# Altium PCB CDH_PCB_reva02.PcbDoc (part 2 of 2)
Units mil, origin at the board's own origin, x right, y up, seen from the top; angles counter-clockwise.
Board outline 4710 x 6365 mil, 4 copper layers (Component Side, Ground Plane, Power Plane, Solder Side), stack 60.8 mil thick; 142 components, 114 nets, 657 pads, 193 vias.
Unrouted connection lines stored in the file: 13.
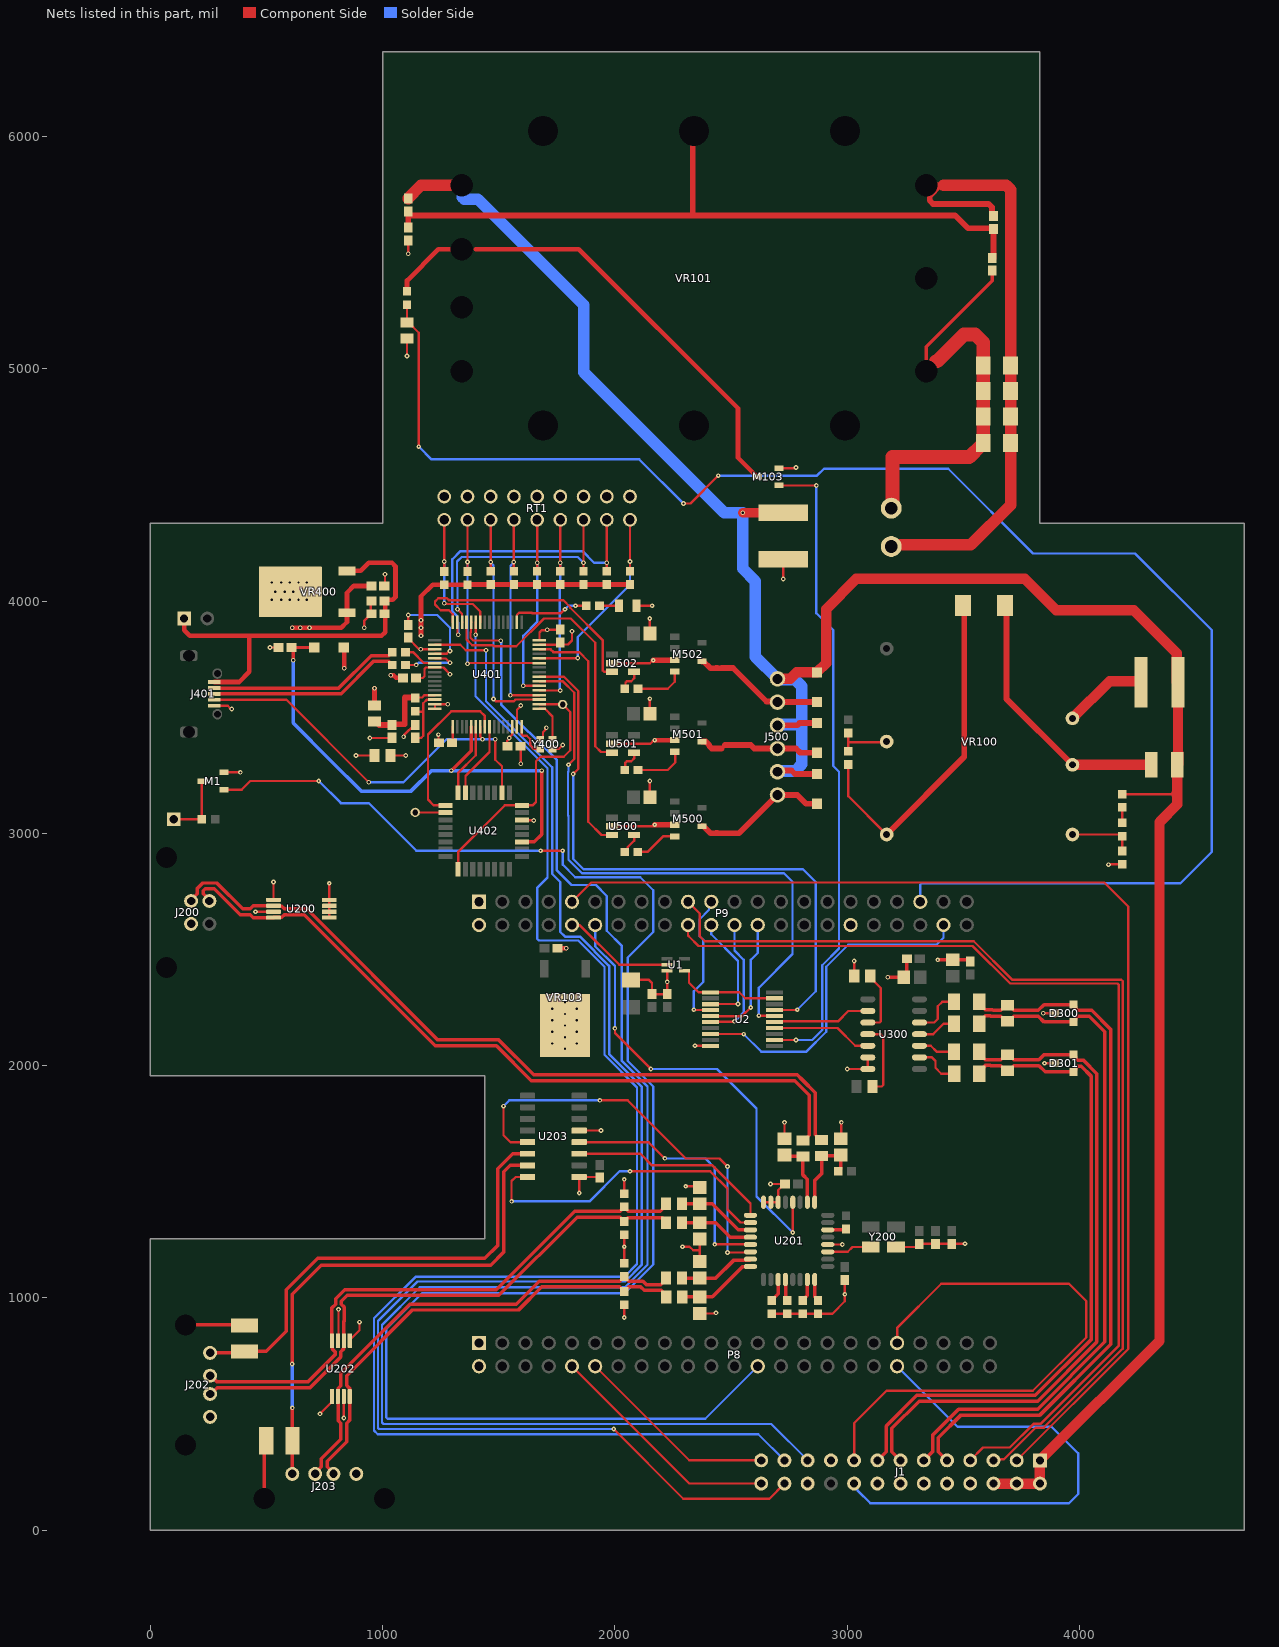
[diagram p4: the nets of this part, all layers, seen from the top]

## Via types
v1: diameter 20, hole 10, Component Side to Solder Side, 107 vias
v2: diameter 20, hole 8, Component Side to Solder Side, 86 vias

## Nets (pads, with @x,y where several pads share a name; then routed paths per layer and width w, separated by ;. In a path a pad name is that pad's centre, name@x,y a point inside that pad or via, vN(x,y) a via of type N, cw(c..) or ccw(c..) an arc to the next point about the centre after c; other vN are vias at no path point) (continued)
+28: C100.2 C103.2 C112.1 D500.C D502.C D504.C J1.1 J1.2 J1.4 J1.6 J500.2 J500.4 J500.6 L100.1 R104.1 VR101.1 | length 10667.4
  Component Side w10: R104.1@4185,3168.54 4417.56,3168.54
  Component Side w25: J500.2@2700,3265 2705,3270 2760,3270 2775,3255 D500.C@2870,3255 ; J500.4@2700,3465 2785,3465 2794.76,3474.76 D502.C@2870,3474.76
  Component Side w40: v1(2550,4380) C100.2@2725,4380
  Component Side w45: J500.6@2700,3665 2755,3665 2782.76,3692.76 D504.C@2870,3692.76 2910,3732.76 2910,3965.6 3040,4095.6 3764.4,4095.6 3900,3960 4235,3960 4420,3775 L100.1@4420,3652.82 ; J1.6@3630,200 J1.4@3730,200 J1.2@3830,200 J1.1@3830,300 4345,815 4345,3048.62 4421.1,3124.72 4421.1,3165 C103.2@4421.1,3295 ; C103.2@4424.53,3346.71 L100.1@4424.53,3650
  Component Side w47.24: 4417.56,3168.54 4421.1,3165 ; L100.1@4420,3652.82 L100.1@4422.81,3650 ; C103.2@4421.1,3295 4424.06,3297.95 4424.06,3346.24 C103.2@4424.53,3346.71
  Component Side w50: C112.1@1110,5732.56 1110,5735 1165,5790 1280,5790 1335.34,5790 VR101.1@1340,5790 1342.92,5790 VR101.1@1347.92,5795
  Solder Side w50: VR101.1@1342.92,5790 1342.92,5738.4 1350.41,5730.91 1409.09,5730.91 1865,5275 1865,4985 2470,4380 v1(2550,4380) 2550,4140 2605,4085 2605,3760 J500.6@2700,3665 2703.24,3661.76 2775.71,3661.76 2805,3632.47 2805,3470 ; J500.2@2700,3265 2703.24,3268.24 2775.71,3268.24 2805,3297.53 2805,3470 ; J500.4@2700,3465 2703.24,3468.24 2803.24,3468.24 2805,3470
+48: C102.1 C104.1 C105.1 C106.1 C114.2 J100.1 VR101.7 | length 2721.5
  Component Side w25: J100.1@3190,4235 J100.1@3197.15,4242.15 ; VR101.7@3340,5790 3400,5790 ; 3415,5790 3400,5790 ; C114.2@3630,5657.56 3623.8,5663.76 3623.8,5695.36 3609.15,5710 3370,5710 3355.36,5724.64 3355.36,5745.36 3400,5790
  Component Side w50: J100.1@3197.15,4242.15 3532.15,4242.15 3703.66,4413.66 C106.1@3703.66,4680 C105.1@3703.66,4795 C104.1@3703.66,4905 C102.1@3703.66,5015 3703.66,5771.34 3685,5790 3415,5790
GND: C100.1 C101.1 C101.2 C103.1 C107.1 C108.1 C109.1 C110.1 C115.1 C200.1 C201.1 C202.1 C203.2 C204.1 C205.1 C206.2 C207.1 C208.2 C209.1 C210.2 C211.2 C212.2 C213.1 C300.2 C301.2 C302.2 C303.2 C400.2 C401.2 C402.2 C403.2 C404.2 C405.2 C406.2 C410.2 C500.1 C501.1 C502.1 D300.3 D301.3 J1.8 J1.10 J1.12 J1.14 J1.16 J1.19 J1.22 J200.GND J200.Shield J202.GND J202.Shield J203.GND J203.Shield J401.5 L401.2 LED400.1 M1.2 M103.2 M500.S2 M501.S2 M502.S2 P8.1 P8.2 P9.1 P9.2 P9.34 R100.1 R103.2 R106.2 R207.2 R208.2 R209.2 R210.2 R211.1 R212.2 R213.1 R214.2 R306.1 U1.3 U2.10 U200.1 U200.2 U200.3 U200.4 U200.5 U200.7 U201.6 U201.7 U201.8 U201.28 U202.1 U202.3 U202.5 U202.7 U203.1 U203.5 U300.6 U300.7 U401.4 U401.31 U401.47 U402.6 U500.2 U501.2 U502.2 VR100.2 VR100.5 VR101.4 VR103.4 VR400.4 Y200.2 Y400.2 Y400.4 | length 9786.1
  Component Side w10: J401.5@275,3549.09 333.2,3549.09 347.29,3535 v1(350,3535) ; M1.2@317.24,3262.4 v2(387.4,3262.4) ; C211.2@402.44,883.66 C211.2@405,881.1 ; v2(452.2,2662.2) U200.7@529.92,2662.2 ; C212.2@490,376.1 C212.2@498.9,385 ; v1(515,3800) C410.2@548.58,3800 ; U200.5@529.92,2713.39 v2(529.92,2790.08) ; v2(730,500) 730,500.67 781.61,552.28 U202.1@781.61,574.92 ; U200.1@770.08,2636.61 U200.2@770.08,2662.2 U200.3@770.08,2687.8 U200.4@770.08,2713.39 v2(770.08,2784.92) ; U202.7@807.2,815.08 810,817.87 v2(810,950) ; v2(832.8,482.2) U202.3@832.8,574.92 ; U202.5@858.39,815.08 858.39,818.64 900,860.26 v2(900,895) ; v1(885,3335) L401.2@965.55,3335 ; v1(920,3885) 920,3914.29 950,3944.29 949.29,3945 C406.2@949.29,4000 ; C401.2@1010,4065 v1(1010,4115) ; v2(1105,5055) R100.1@1105,5130.55 ; C404.2@1110,3900.71 v1(1110,3940) ; v1(1110,5495) C115.1@1110,5552.44 ; U401.4@1225,3773 1275.29,3773 1287.29,3785 v1(1290,3785) ; U401.31@1578,3459 1578,3531.65 1595,3548.65 v1(1595,3550) ; v1(1595,3300) 1595,3374.29 C402.2@1595.71,3375 ; U402.6@1599.57,3057.24 1600.69,3056.12 1648.88,3056.12 v1(1650,3055) ; U401.47@1675,3812 1763.71,3812 1765,3813.29 1798.29,3813.29 1815,3830 v1(1815,3870) ; Y400.4@1678.42,3404.67 1680.39,3404.67 1690.16,3414.43 1690.16,3435.16 1700,3445 1700,3447.29 1705,3452.29 v1(1705,3455) ; Y400.2@1731.57,3363.33 1758.33,3363.33 v1(1775,3380) ; v2(1846.22,1451.22) U203.1@1846.22,1520 1932.44,1520 C213.1@1935,1517.44 ; U203.5@1846.22,1720 v2(1940,1720) ; U500.2@1988.07,3030 2162.29,3030 2168.99,3036.69 v2(2171.69,3036.69) ; U501.2@1988.07,3385 2152.4,3385 2168.78,3401.38 v2(2171.38,3401.38) ; U502.2@1988.07,3732.6 2149.89,3732.6 2162.29,3745 v2(2165,3745) v2@2165,3747.71 ; v2(2040,915) R213.1@2040,970 ; R214.2@2040,1148.54 v2(2040,1219.76) R211.1@2040,1271.46 ; R212.2@2040,1448.54 v2(2040,1510) ; C107.1@2070,2368.66 2146.34,2368.66 2160,2355 C108.1@2160,2307.56 C109.1@2225,2307.56 v1(2225,2360) 2225,2408.62 U1.3@2225.2,2408.82 ; LED400.1@2092.4,3980 v2(2160,3980) ; v2(2150,3925) 2150.43,3924.57 C502.1@2150.43,3860 ; C500.1@2150.43,3155 v2(2150.43,3225.43) ; C501.1@2150.43,3515 v2(2150.43,3579.57) ; M502.S2@2255.98,3745 M502.S2@2257.68,3746.69 ; v2(2290.83,1219.76) 2321.48,1219.76 2337.06,1204.17 2365,1204.17 ; v2(2305,1480) 2360.43,1480 C210.2@2365,1475.43 ; v2(2345,2085) 2345.16,2084.84 U2.10@2412.2,2084.84 ; C207.1@2365,1155.87 2365,1204.17 ; C209.1@2365,1252.47 2365,1204.17 ; C208.2@2365.55,932.47 2432.47,932.47 v2(2435,935) ; U201.8@2639.76,1411.34 U201.7@2671.26,1411.34 U201.6@2702.76,1411.34 2702.76,1463.27 C205.1@2729.49,1490 ; v2(2670,1490) C205.1@2729.49,1490 ; R207.2@2675,931.46 R208.2@2741.67,931.46 R209.2@2808.33,931.46 R210.2@2875,931.46 2936.46,931.46 2990,985 v2(2990,1015) C206.2@2990,1077.44 ; M103.2@2707.24,4572.4 2777.4,4572.4 v1(2780,4575) ; v1(2725,4095) C100.1@2725,4179.21 ; C202.1@2730,1685 v2(2730,1755) ; C205.1@2732.44,1490 C205.1@2729.49,1490 ; U201.28@2916.34,1229.25 v2(2979.25,1229.25) ; C203.2@2972.28,1685 2975,1687.72 v2(2975,1755) ; v1(3000,1985) U300.7@3088.78,1985 U300.6@3088.78,2035 ; R103.2@3005,3296.46 3005,3160 VR100.5@3170,2995 ; v2(3030,2450) 3030.55,2449.45 R306.1@3030.55,2385 ; Y200.2@3210,1218.39 3296.3,1218.39 3310,1232.09 C204.1@3310,1232.44 C200.1@3450,1232.44 v2(3507.56,1232.44) ; C300.2@3244.06,2380 C300.2@3257.44,2393.39 ; C301.2@3455,2455.43 3522.13,2455.43 C303.2@3530,2447.56 C303.2@3522.56,2455 ; v1(3845,2225) 3883.03,2225 D300.3@3895.63,2212.4 ; v2(3850,2010) D301.3@3895.63,2010 ; v2(4125,2865) 4126.46,2866.46 R106.2@4185,2866.46
  Component Side w15: J202.Shield@150,883.66 C211.2@402.44,883.66 ; J203.Shield@490,135 C212.2@490,376.1 ; v1(3175,2380) C300.2@3244.06,2380 ; C300.2@3257.44,2393.39 C302.2@3257.44,2460 ; v2(3390,2455) C303.2@3522.56,2455
  Component Side w20: v1(1035,3680) 1046.32,3680 1057.32,3669 C405.2@1084.29,3669 ; C110.1@1755.71,2505 v1(1790,2505) ; v2(2171.38,3401.38) M501.S2@2257.68,3401.38
  Component Side w25: v2(2165,3745) M502.S2@2255.98,3745 ; v2(2171.69,3036.69) M500.S2@2257.68,3036.69 ; VR100.5@3170,2995 3504.45,3329.45 C101.2@3504.45,3975 ; C101.1@3685.55,3975 3685.55,3579.45 VR100.2@3970,3295
  Component Side w45: VR100.2@3970,3295 C103.1@4308.9,3295
  Solder Side w10: v1(1110,3940) 1235,3940 1290,3885 v1(1290,3785)
  other v1: 1785,2072.17 1730,2095 1835,2095 1785,2122.17 1730,2145 1835,2145 1785,2172.17 1730,2195 1835,2195 1785,2222.17 1730,2245 1835,2245 1785,2272.17 522.83,4005 562.83,4005 600,4005 637.83,4005 672.83,4005 537.83,4040 577.83,4040 615,4040 652.83,4040 687.83,4040 522.83,4080 562.83,4080 600,4080 637.83,4080 672.83,4080
GND_48V: C102.2 C104.2 C105.2 C106.2 C111.1 J100.2 VR101.5 | length 1891.9
  Component Side w15: VR101.5@3340,4990 3340,5050 3340,5095 3625,5380 C111.1@3625,5422.44
  Component Side w59: J100.2@3190,4400 3195,4405 3195,4620 3526.34,4620 3577.26,4670.92 3583.95,4670.92 3586.34,4673.31 C106.2@3586.34,4680 C105.2@3586.34,4795 C104.2@3586.34,4905 3586.34,5113.34 3551.78,5147.9 3502.9,5147.9 3387.19,5032.19 3382.66,5032.19
GND_BASEPLATE: C111.2 C112.2 C114.1 C115.2 VR101.BASE | length 3125.3
  Component Side w25: C115.2@1110,5607.56 C112.2@1110,5674.49 ; C112.2@1110,5677.44 C112.2@1110,5674.49 ; VR101.BASE@2340,6025 2335,6020 2335,5950.17 2335,5660 ; C111.2@3630,5475 C114.1@3630,5602.44 3630,5605.39 3623.8,5611.59 3623.8,5605 3520,5605 3465,5660 2335,5660 ; C112.2@1110,5674.49 1124.49,5660 2335,5660
NetC202_2: C202.2 R202.2 U201.2 | length 287.5
  Component Side w15: C202.2@2730,1614.13 2734.92,1609.21 R202.2@2809.7,1609.21 2809.7,1528.72 2828.74,1509.68 U201.2@2828.74,1411.34
NetC203_1: C203.1 R200.1 R201.2 U201.1 | length 369.5
  Component Side w15: U201.1@2860.24,1411.34 2860,1411.57 2860,1505 2890,1535 R201.2@2890,1610.55 2968.7,1610.55 C203.1@2972.28,1614.13 2972.28,1555.22 2962.07,1545 R200.1@2961.46,1545
NetC207_2: C207.2 R204.1 U201.15 | length 327.9
  Component Side w15: R204.1@2289.45,1085 C207.2@2365,1085 2434.96,1085 2510.46,1160.5 2577.9,1160.5 U201.15@2583.66,1166.26
NetC208_1: C208.1 R203.2 U201.16 | length 348.1
  Component Side w15: R203.2@2290,1003.33 C208.1@2365.55,1003.33 2367.22,1005 2420,1005 2549.29,1134.29 2583.19,1134.29 U201.16@2583.66,1134.76
NetC209_2: C209.2 R205.2 U201.12 | length 320.1
  Component Side w15: R205.2@2289.45,1323.33 C209.2@2365,1323.33 2433.63,1323.33 2496.21,1260.75 U201.12@2583.66,1260.75
NetC210_1: C210.1 R206.2 U201.11 | length 340.7
  Component Side w15: R206.2@2289.45,1404.57 C210.1@2365,1404.57 2419.42,1404.57 2531.75,1292.24 U201.11@2583.66,1292.24
NetC211_1: C211.1 J202.Vcc U203.14 | length 2020.9
  Component Side w10: C211.1@398.9,762.8 C211.1@405,768.9
  Component Side w15: J202.Vcc@256.69,762.8 C211.1@398.9,762.8 ; C211.1@405,768.9 498.9,768.9 585,855 585,1035 720,1170 1440,1170 1495,1225 1495,1555 1560,1620 U203.14@1623.78,1620
NetC212_1: C212.1 J203.Vcc U203.15 | length 2219.6
  Component Side w10: C212.1@610.87,384.76 C212.1@611.1,385
  Component Side w15: v2(610,715) 610,1015 735,1140 1465,1140 1522,1197 1522,1542 1550.01,1570.01 U203.15@1623.78,1570 ; J203.Vcc@610.87,241.69 C212.1@610.87,384.76 ; C212.1@611.1,385 v2(611.1,526.1)
  Solder Side w15: v2(610,715) 611.1,713.9 v2(611.1,526.1)
NetC400_1: C400.1 C406.1 J401.1 P400.1 VR400.3 | length 1805
  Component Side w20: P400.1@145,3925 145,3875 170,3850 425,3850 ; J401.1@275,3651.46 381.46,3651.46 425,3695 425,3850 ; VR400.3@846.26,4129.76 904.76,4129.76 940,4165 1040,4165 1055,4150 1055,4017 1043.28,4005.28 1015.99,4005.28 C406.1@1010.71,4000 ; C406.1@1010.71,4001.18 C406.1@1010.71,4000 ; 425,3850 995,3850 1010.71,3865.71 C406.1@1010.71,4000
NetC407_1: C407.1 L400.1 R400.2 U401.13 | length 385.9
  Component Side w10: R400.2@1140,3584.71 1140.29,3585 1170,3585 1180,3595 U401.13@1225,3595
  Component Side w25: L400.1@965,3480.55 970.91,3480.55 984.9,3466.56 C407.1@1040,3466.56 ; C407.1@1039.71,3470 1040,3469.71 1095,3469.71 1095,3585 1095.29,3584.71 R400.2@1140,3584.71
NetC407_2: C407.2 C408.2 C409.1 L401.1 RT1.2 RT1.4 RT1.6 RT1.8 RT1.10 RT1.12 RT1.14 RT1.16 RT1.18 U401.15 U401.16 | length 350.1
  Component Side w10: v1(945,3410) 1038.29,3410 C407.2@1040,3408.29 ; L401.1@1034.45,3330 1039.45,3335 v1(1100,3335) ; v1(1090,3415) 1091.91,3416.91 1091.91,3422.8 1138.82,3469.71 C408.2@1140,3469.71 ; U401.16@1225,3536 U401.15@1225,3556 1225.5,3555.5 1279.5,3555.5 v1(1280,3555) ; C409.1@1239.29,3390 1240,3390.71 v1(1240,3425)
NetC408_1: C408.1 R400.1 U401.14 | length 272.9
  Component Side w10: C408.1@1140,3408.29 1141.71,3410 1165,3410 1175,3420 1175,3525 ; R400.1@1140,3523.29 1173.29,3523.29 1175,3525 ; 1175,3525 1175,3560 1190.5,3575.5 U401.14@1224.5,3575.5 ; U401.14@1224.5,3575.5 U401.14@1225,3576 U401.14@1224.5,3575.5
NetC409_2: C409.2 U401.17 | length 71.4
  Component Side w10: C409.2@1300.71,3391.18 1300.71,3390 1302,3391.29 U401.17@1302,3459 U401.17@1301.5,3458.5
NetC410_1: C410.1 D400.C U401.21 U402.3 | length 2250
  Component Side w15: v1(615,3745) 614.04,3745.96 614.04,3795.96 610,3800 D400.C@705,3800 ; v1(1295,3270) 1381,3356 U401.21@1381,3459 ; U402.3@1599.57,2962.76 1652.76,2962.76 1685,2995 v1(1685,3270)
  Solder Side w15: v1(615,3745) 615,3475 775,3315 910,3180 1120,3180 1210,3270 v1(1295,3270) v1(1685,3270)
NetD500_2: D500.A J500.1 M500.D2 | length 603.9
  Component Side w25: M500.D2@2375,3030 2381.69,3030 2411.43,3000.26 2433.47,3000.26 2435.07,3001.86 2440.72,3001.86 2442.32,3000.26 2534.22,3000.26 2698.96,3165 J500.1@2700,3165 ; J500.1@2688.65,3165 2785,3165 2822.76,3127.24 D500.A@2870,3127.24
NetD502_2: D502.A J500.3 M501.D2 | length 519.4
  Component Side w25: M501.D2@2375,3394.69 2391.25,3394.69 2405.89,3380.04 2405.89,3376.37 2417.32,3364.95 2458.47,3364.95 ; 2473.52,3380 2585,3380 2600,3365 J500.3@2700,3365 ; J500.3@2688.65,3365 2780,3365 2797.99,3347.01 D502.A@2870,3347.01
NetD504_2: D504.A J500.5 M502.D2 | length 570.1
  Component Side w25: M502.D2@2375,3740 2381.69,3740 2411.43,3710.26 2433.47,3710.26 2435.07,3711.86 2440.72,3711.86 2442.32,3710.26 2458.47,3710.26 2460.07,3711.86 2508.14,3711.86 2652.32,3567.68 2697.32,3567.68 J500.5@2700,3565 D504.A@2870,3565
NetJ1_3: J1.3 P9.9 | length 5055.9
  Component Side w10: P9.9@1815,2705 1898,2788 4107,2788 4210,2685 4210,780 J1.3@3730,300
NetJ1_5: J1.5 P9.19 | length 4409.4
  Component Side w10: P9.19@2315,2705 2365,2655 2365,2556.58 2386.57,2535 3275,2535 3545,2535 3710,2370 4179.78,2370 4187,2362.78 4187,781.04 3845.96,440 3810.6,440 3675,304.4 3634.4,304.4 J1.5@3630,300
NetJ1_7: J1.7 P9.20 | length 4375.7
  Component Side w10: P9.20@2315,2595.4 2315,2560 2317.93,2557.07 2360,2515 3540,2515 3702,2353 4164.14,2353 4170,2347.14 4170,795 3832,457 3802,457 3700,355 3585,355 J1.7@3530,300
NetJ1_17: J1.17 P8.37 | length 2471.6
  Component Side w10: J1.17@3030,300 3030,459.86 3169.64,599.5 3799.5,599.5 4030,830 4030,985 3955,1060 3405,1060 3215,870 P8.37@3215,805
  Solder Side w10: P8.37@3205.32,795.32 P8.37@3215,805
NetJ1_18: J1.18 P8.38 | length 2135.9
  Solder Side w10: J1.18@3030,200 3030,186.47 3044.32,172.15 3044.32,170.68 3100,115 3955,115 3995,155 3995,330 3880,445 3475,445 P8.38@3215,705
NetJ1_21: J1.21 U401.60 | length 6784.8
  Component Side w10: U401.60@1381,3909 1380.5,3908.5 1380.5,3866.61 1378,3864.11 1378,3842 1390,3830 1508.04,3830 v1(1508.7,3829.35)
  Solder Side w10: v1(1508.7,3829.35) 1510,3828.04 1510,3555 1750,3315 1750,2840 1813,2777 1918,2777 1965,2730 1965,2580 2030,2515 2030,2020 2140,1910 2140,1141.92 2043.08,1045 1159.64,1045 997.32,882.68 997.32,462.5 1003.18,456.64 2673.36,456.64 J1.21@2830,300
NetJ1_23: J1.23 U401.59 | length 6721.5
  Component Side w10: v1(1400,3855) 1401,3856 U401.59@1401,3909
  Solder Side w10: v1(1400,3855) 1400,3589.85 1710,3279.85 1710,2810 1665,2765 1665,2545.86 1672.86,2538 1842,2538 1955,2425 1955,2045.96 2095,1905.96 2095,1145 2040,1090 1141.01,1090 962.64,911.64 962.64,428.36 978.36,412.64 2617.36,412.64 J1.23@2730,300
NetJ1_24: J1.24 U401.2 | length 6791.2
  Component Side w10: U401.2@1225,3812 1333.65,3812 1357.65,3788 v1(1445,3788) ; v2(1994.64,434.64) 2294.29,135 2665,135 J1.24@2730,200
  Solder Side w10: v1(1445,3788) 1445,3568.89 1730,3283.89 1730,2825 1765,2790 1765,2575 1785,2555 1849.04,2555 1975,2429.04 1975,2050 2115,1910 2115,1140.96 2044.04,1070 1149.29,1070 979.64,900.36 979.64,439.64 984.64,434.64 v2(1994.64,434.64)
NetJ1_25: J1.25 P8.12 | length 882.8
  Component Side w10: P8.12@1915,705 2320,300 J1.25@2630,300
NetJ1_26: J1.26 P8.10 | length 1024.2
  Component Side w10: P8.10@1815,705 2320,200 J1.26@2630,200
NetJ2_1: J2.1 M1.3 R10.2 | length 287
  Component Side w10: J2.1@100,3060 R10.2@221.46,3060 221.46,3223.7 M1.3@222.76,3225
NetJ400_1: J400.1 U402.18 | length 131
  Component Side w10: J400.1@1140,3090 1140.63,3089.37 1269.8,3089.37 U402.18@1270.43,3088.74
NetJ401_4: J401.4 U401.23 U402.10 | length 1734
  Component Side w10: J401.4@275,3574.69 585.32,3574.69 v1(940,3220) ; U401.23@1420,3459 1420.5,3458.5 1420.5,3417.21 1430,3407.71 v1(1430,3405) ; v1(1485,3405) 1485,3317.01 1513.74,3288.27 U402.10@1513.74,3174.57
  Solder Side w10: v1(940,3220) 1090,3220 1275,3405 v1(1430,3405) v1(1485,3405)
NetJ402_1: J402.1 U401.34 U402.8 U402.25 | length 1152.7
  Component Side w10: U402.25@1324.76,2845.43 1324.76,2919.76 1525.24,3120.24 U402.8@1599.57,3120.24 1599.61,3120.28 1645.28,3120.28 1660,3135 1660,3310 1680,3330 1780,3330 1808,3358 1808,3522 J402.1@1775,3555 1774.5,3555.5 1675.5,3555.5 U401.34@1675,3556
NetL100_2: L100.2 VR100.1 | length 364.1
  Component Side w45: VR100.1@3970,3495 4130,3655 L100.2@4260.95,3655
  Component Side w47.24: L100.2@4260.95,3655 4265.47,3650.47 L100.2@4265.47,3650
NetLED400_2: LED400.2 R403.1 | length 84.1
  Component Side w10: R403.1@1933.54,3980 LED400.2@2017.6,3980
NetM1_1: M1.1 P8.26 | length 7138.1
  Component Side w10: M1.1@317.24,3187.6 392.6,3187.6 430,3225 v2(725,3225) ; v2(1680,2925) v2(1775,2925)
  Solder Side w10: v2(725,3225) 820,3130 940,3130 1145,2925 v2(1680,2925) ; v2(1775,2925) 1775,2865 1829,2811 2109,2811 2165,2755 2165,2575 2055,2465 2055,2020 2165,1910 2165,1142.88 2042.12,1020 1170,1020 1015,865 1015,484.5 1020.85,478.66 2388.64,478.64 P8.26@2615,705
NetM103_1: M103.1 U2.12 | length 2798.2
  Component Side w10: U2.12@2687.8,2110.43 2688.01,2110.22 2779.78,2110.22 v2(2780,2110) ; M103.1@2707.24,4497.6 v2(2867.4,4497.6)
  Solder Side w10: v2(2780,2110) 2850,2110 2892.98,2152.98 2892.98,2432.02 2965,2504.04 2965,3264.95 2940,3289.95 2940,3875 2867.4,3947.6 v2(2867.4,4497.6)
NetM103_3: M103.3 R101.2 VR101.2 | length 2079.1
  Component Side w20: R101.2@1105,5339.45 1105,5380 1240,5515 1280,5515 VR101.2@1340,5515 ; 1400,5515 1845,5515 2530,4830 2530,4617.76 2603.07,4544.69 2603.07,4536.81 2604.88,4535 M103.3@2612.76,4535
NetM500_G2: M500.G2 R500.2 | length 186.4
  Component Side w10: R500.2@2098.86,2920 2140,2920 2206.69,2986.69 M500.G2@2257.68,2986.69
NetM501_G2: M501.G2 R501.2 | length 221.4
  Component Side w10: R501.2@2099.29,3272.6 2227.4,3272.6 2260,3305.2 2260,3349.06 M501.G2@2257.68,3351.38
NetM502_G2: M502.G2 R502.2 | length 214.9
  Component Side w10: R502.2@2099.29,3622.6 2227.6,3622.6 2257.68,3652.68 M502.G2@2257.68,3696.69
NetP9_10: P9.10 U1.2 | length 480.9
  Component Side w10: P9.10@1815,2605 1847.81,2605 2018.4,2434.41 U1.2@2225.2,2434.41
NetP9_12: P9.12 U201.4 | length 1985.5
  Component Side w10: v2(2000,2160) 2000,2140 v2(2155,1985) ; v2(2765.75,1280.75) U201.4@2765.75,1411.34
  Solder Side w10: P9.12@1915,2616.29 P9.12@1915,2605 1915,2513.08 2000,2428.08 v2(2000,2160) ; v2(2155,1985) 2440,1985 2610,1815 2610,1610 2610,1436.5 v2(2765.75,1280.75)
NetP9_21: P9.21 U2.4 | length 581.4
  Component Side w10: v2(2340,2240) 2340.81,2239.19 2411.4,2239.19 U2.4@2412.2,2238.39
  Solder Side w10: v2(2340,2240) 2340,2320 2380,2360 2380,2541.58 2365,2556.58 2365,2630 2405.32,2670.32 2405.32,2695.32 P9.21@2415,2705
NetP9_22: P9.22 U2.3 | length 505.9
  Component Side w10: U2.3@2412.2,2263.98 2413.23,2265 v2(2530,2265)
  Solder Side w10: P9.22@2415,2605 2415,2565 2530,2450 v2(2530,2265)
NetP9_24: P9.24 U2.6 | length 552.1
  Component Side w10: U2.6@2412.2,2187.2 2413.6,2188.6 2513.6,2188.6 v2(2515,2190)
  Solder Side w10: v2(2515,2190) 2555,2230 2555,2455 2515,2495 P9.24@2515,2605
NetP9_26: P9.26 U2.5 | length 555.6
  Component Side w10: U2.5@2412.2,2212.8 2547.8,2212.8 v2(2585,2250)
  Solder Side w10: v2(2585,2250) 2585,2455 2615,2485 P9.26@2615,2605
NetP9_39: P9.39 R100.2 R101.1 | length 6838.7
  Component Side w10: R101.1@1105,5270.55 R100.2@1105,5199.45 1110.91,5199.45 1155,5155.35 v2(1155,4665) ; v2(2295,4420) 2325,4420 v2(2445,4540)
  Solder Side w10: v2(1155,4665) 1210,4610 2105,4610 v2(2295,4420) ; v2(2445,4540) 2870,4540 2900,4570 3435,4570 3800,4205 4240,4205 4570,3875 4570,2920 4435,2785 3320.86,2785 3315,2779.14 P9.39@3315,2705
NetP9_42: P9.42 U2.8 | length 1456.3
  Component Side w10: U2.8@2412.2,2136.02 2412.72,2135.51 2554.49,2135.51 v2(2555,2135)
  Solder Side w10: v2(2555,2135) 2630,2060 2825,2060 2910,2145 2910,2425 3005,2520 3385,2520 3415,2550 P9.42@3415,2605
NetR1_1: R1.1 RT1.1 U401.58 | length 618.4
  Component Side w10: v1(1265,3990) 1266.91,3988.09 1276.9,3988.09 1277.99,3987 1388,3987 1420,3955 U401.58@1420,3909 ; R1.1@1265,4127.09 v1(1265,4170) RT1.1@1265,4350
  Solder Side w10: v1(1265,3990) v1(1265,4170)
NetR2_1: R2.1 RT1.3 U401.43 | length 972.2
  Component Side w10: v1(1365,3730) 1367.71,3730 1370.71,3733 U401.43@1675,3733 ; R2.1@1365,4127.09 v1(1365,4168) RT1.3@1365,4350
  Solder Side w10: v1(1365,3730) v1(1365,4168)
NetR3_1: R3.1 RT1.5 U401.35 | length 1020.4
  Component Side w10: v1@1462.5,4164.79 1465,4162.29 R3.1@1465,4128.54 ; v1@1465,4167.29 v1(1465,4168) RT1.5@1465,4350 ; v1(1477,3578) 1487,3568 1564.11,3568 1572.11,3576 U401.35@1675,3576
  Solder Side w10: v1(1465,4168) 1465,4165.29 1477,4153.29 v1(1477,3578)
NetR4_1: R4.1 RT1.7 U401.36 | length 925.7
  Component Side w10: v1(1550,3595) U401.36@1675,3595 ; R4.1@1565,4128.54 v1(1565,4168) RT1.7@1565,4350
  Solder Side w10: v1(1550,3595) 1550,4152.14 1565,4167.14 v1(1565,4168)
NetR5_2: R5.2 RT1.9 U401.38 | length 846.3
  Component Side w10: v1(1605,3635) U401.38@1675,3635 ; R5.2@1665,4128.54 v1(1665,4165) RT1.9@1665,4350
  Solder Side w10: v1(1605,3635) 1605,3850 1665,3910 v1(1665,4165)
NetR6_1: R6.1 RT1.11 U401.37 | length 863.1
  Component Side w10: U401.37@1675,3615 v1(1765,3615) ; R6.1@1765,4128.54 v1(1765,4165) RT1.11@1765,4350
  Solder Side w10: v1(1765,3615) 1765,3617.71 1763,3619.71 1763,4058.09 1765,4060.09 v1(1765,4165)
NetR7_1: R7.1 RT1.13 U401.62 | length 1055.2
  Component Side w10: v1(1322,3965) 1341.5,3945.5 1341.5,3909.5 U401.62@1342,3909 ; R7.1@1865,4128.54 v1(1865,4165) RT1.13@1865,4350
  Solder Side w10: v1(1322,3965) 1322,4069.35 1320,4071.35 1320,4170 1340,4190 1840,4190 v1(1865,4165)
NetR8_1: R8.1 RT1.15 U401.63 | length 1312.3
  Component Side w10: U401.63@1322,3909 1322,3860.71 1325,3857.71 v1(1325,3855) ; R8.1@1965,4128.54 v1(1965,4165) RT1.15@1965,4350
  Solder Side w10: v1(1325,3855) 1325,3906 1322,3909 1322,3933 1300,3955 1300,4180 1335,4215 1860,4215 1910,4165 v1(1965,4165)
NetR9_1: R9.1 RT1.17 U401.44 | length 895.5
  Component Side w10: U401.44@1675,3753 1675.5,3753.5 1838.5,3753.5 v1(1840,3755) ; R9.1@2065,4128.54 v1(2065,4170) RT1.17@2065,4350
  Solder Side w10: v1(1840,3755) 1840,3845 2065,4070 v1(2065,4170)
NetR102_2: R102.2 R103.1 VR100.4 | length 243.9
  Component Side w10: R103.1@3005,3353.54 3005,3392.5 ; R102.2@3005,3431.46 3005,3392.5 ; VR100.4@3167.5,3392.5 3005,3392.5
  Component Side w25: VR100.4@3167.5,3392.5 VR100.4@3170,3395
NetR104_2: R104.2 R105.1 | length 66.5
  Component Side w10: R105.1@4185,3045 R104.2@4185,3111.46
NetR105_2: R105.2 R106.1 VR100.6 | length 282.3
  Component Side w10: VR100.6@3970,2995 4177.91,2995 R105.2@4185,2987.91 R106.1@4185,2923.54
NetR207_1: R207.1 U201.19 | length 101.6
  Component Side w15: R207.1@2675,988.54 2675,989.53 2702.76,1017.28 U201.19@2702.76,1078.66
NetR208_1: R208.1 U201.20 | length 93.2
  Component Side w15: U201.20@2734.25,1078.66 2735.52,1077.39 2735.52,994.69 R208.1@2741.67,988.54
NetR209_1: R209.1 U201.23 | length 98.6
  Component Side w15: R209.1@2808.33,988.54 2808.33,989.53 2828.74,1009.93 U201.23@2828.74,1078.66
NetR210_1: R210.1 U201.24 | length 96.2
  Component Side w15: U201.24@2860.24,1078.66 2860.24,1004.29 2875,989.53 R210.1@2875,988.54
NetR215_1: R215.1 U201.30 | length 80.4
  Component Side w15: U201.30@2916.34,1292.24 2917.61,1293.52 2992.06,1293.52 R215.1@2995,1296.46
NetR300_1: R300.1 U300.12 | length 218.3
  Component Side w10: U300.12@3311.22,2185 3375,2185 3390,2200 3390,2255 3410,2275 R300.1@3460,2275
NetR302_1: R302.1 U300.11 | length 167.4
  Component Side w10: U300.11@3311.22,2135 3370,2135 3415,2180 R302.1@3460,2180
NetR303_1: R303.1 U300.10 | length 159.1
  Component Side w10: U300.10@3311.22,2085 3360,2085 3385,2060 R303.1@3460,2060
NetR304_1: R304.1 U300.9 | length 196.2
  Component Side w10: U300.9@3311.22,2035 3365,2035 3380,2020 3380,1990 3405,1965 R304.1@3460.87,1965
NetR306_2: R306.2 U300.3 | length 271.7
  Component Side w10: U300.3@3088.78,2185 3139.14,2185 3145,2190.86 3145,2333.54 3099.45,2379.09 R306.2@3099.45,2385
NetR307_2: R307.2 U300.4 | length 326.9
  Component Side w10: U300.4@3088.78,2135 3145,2135 3155,2125 3155,1915.86 3149.14,1910 R307.2@3110,1910
NetR401_1: R401.1 U401.5 | length 265.9
  Component Side w10: R401.1@1100.71,3725 v1(1145,3725) ; U401.5@1225,3753 1272,3753 v1(1290,3735)
  Solder Side w10: v1(1145,3725) 1155,3735 v1(1290,3735)
NetR402_1: R402.1 U401.6 | length 114
  Component Side w10: R402.1@1100.71,3780 1130,3780 1177,3733 1195.25,3733
NetR403_2: R403.2 U401.50 | length 348
  Component Side w10: U401.50@1578,3909 1578.5,3909.5 1578.5,3940.97 1587.53,3950 1642.32,3950 1644.32,3948 1768,3948 v2(1785,3965) ; v2(1830,3980) R403.2@1876.46,3980
  Solder Side w10: v2(1785,3965) 1800,3980 v2(1830,3980)
NetR500_1: R500.1 U500.4 | length 90.1
  Component Side w10: R500.1@2041.77,2920 2042.76,2920 2055.47,2932.72 2055.47,2940.47 2082.56,2967.56 U500.4@2082.56,2992.6
NetR501_1: R501.1 U501.4 | length 102.9
  Component Side w10: R501.1@2042.2,3272.6 2045,3275.39 2045,3304.14 2050.86,3310 2070,3310 2082.56,3322.56 U501.4@2082.56,3347.6
NetR502_1: R502.1 U502.4 | length 100.5
  Component Side w10: R502.1@2042.2,3622.6 2045.32,3625.71 2045.32,3649.46 2050.86,3655 2070,3655 2082.56,3667.56 U502.4@2082.56,3695.2
NetU1_4: U1.4 U2.1 U2.19 | length 466.2
  Component Side w10: U1.4@2300,2408.82 2315.75,2408.82 2318.62,2405.95 2318.62,2356.38 2359.84,2315.16 U2.1@2412.2,2315.16 2535.28,2315.16 2560.87,2289.57 U2.19@2687.8,2289.57
NetU2_14: U2.14 U300.5 | length 432.7
  Component Side w10: U2.14@2687.8,2161.61 2958.39,2161.61 3035,2085 U300.5@3088.78,2085
NetU2_15: U2.15 U300.2 | length 420.8
  Component Side w10: U2.15@2687.8,2187.2 2690.59,2190 2960,2190 3005,2235 U300.2@3088.78,2235
NetU2_16: U2.16 U401.39 | length 2610.5
  Component Side w10: U401.39@1675,3654 1776,3654 1825,3605 1825,3320 v2(1800,3295) ; v2(2620,2215) 2621.1,2213.9 2686.69,2213.9 U2.16@2687.8,2212.8
  Solder Side w10: v2(1800,3295) 1800,3266.11 1798,3264.11 1798,3076.04 1800,3074.04 1800,2885.96 1857.96,2828 2728.08,2828 2765,2791.08 2765,2480 2620,2335 v2(2620,2215)
NetU2_17: U2.17 U401.40 | length 2691.8
  Component Side w10: U401.40@1675,3674 1781,3674 1842,3613 1842,3277 v2(1820,3255) ; U2.17@2687.8,2238.39 2688.6,2239.19 2784.19,2239.19 v2(2785,2240)
  Solder Side w10: v2(1820,3255) 1820,2890 1865,2845 2810,2845 2865,2790 2865,2320 v2(2785,2240)
NetU201_9: U201.9 U203.3 | length 877
  Component Side w10: U203.3@1846.22,1620 2109.54,1620 2159.54,1570 2420,1570 2583.66,1406.34 U201.9@2583.66,1355.24
NetU201_10: U201.10 U203.16 | length 1390.4
  Component Side w10: v2(1555,1415) 1555,1502.44 1572.56,1520 U203.16@1623.78,1520 ; v2(2065,1545) 2410,1545 2485,1470 2485,1380 2541.26,1323.74 U201.10@2583.66,1323.74
  Solder Side w10: v2(1555,1415) 1890,1415 2020,1545 v2(2065,1545)
NetU201_13: U201.13 U203.4 | length 1113.3
  Component Side w10: U203.4@1846.22,1670 2145,1670 v2(2215,1600) ; v2(2430,1230) 2582.91,1230 U201.13@2583.66,1229.25
  Solder Side w10: v2(2215,1600) 2390,1600 2430,1560 v2(2430,1230)
NetU201_14: U201.14 U203.13 | length 1804.4
  Component Side w10: v2(1520,1825) 1520,1700 1550,1670 U203.13@1623.78,1670 ; v2(1935,1850) 2055,1850 2305,1600 2450,1600 v2(2485,1565) ; v2(2485,1195) 2580.91,1195 U201.14@2583.66,1197.76
  Solder Side w10: v2(1520,1825) 1545,1850 v2(1935,1850) ; v2(2485,1195) v2(2485,1565)
NetU201_27: U201.27 Y200.3 | length 193.9
  Component Side w10: U201.27@2916.34,1197.76 3002.76,1197.76 3023.39,1218.39 Y200.3@3101.73,1218.39
NetU401_22: U401.22 U402.16 | length 316
  Component Side w10: U402.16@1324.76,3174.57 1324.76,3259.76 1401,3336 U401.22@1401,3459
NetU401_24: U401.24 U402.17 | length 706.4
  Component Side w10: U402.17@1270.43,3120.24 1219.76,3120.24 1195,3145 1195,3425 1295,3525 1420,3525 1440,3505 U401.24@1440,3459
NetU401_25: U401.25 U402.15 | length 327.4
  Component Side w10: U402.15@1356.26,3174.57 1356.26,3246.26 1460,3350 U401.25@1460,3459
NetU401_32: U401.32 Y400.1 | length 178
  Component Side w10: U401.32@1598.5,3435 1598,3435.5 U401.32@1598,3459 1598.5,3458.5 1598.5,3425.86 1604.36,3420 1620,3420 1635,3405 1635,3380 1651.67,3363.33 Y400.1@1678.42,3363.33
NetU401_33: U401.33 Y400.3 | length 168.5
  Component Side w10: U401.33@1675,3536 1698.5,3536 1731.57,3502.93 Y400.3@1731.57,3404.67
NetU401_46: U401.46 U500.3 | length 1049
  Component Side w10: U401.46@1675,3792 1723,3792 1735,3780 1846.11,3780 1885,3741.11 1885,3050 1942.4,2992.6 U500.3@1988.07,2992.6
NetU401_61: U401.61 U501.3 | length 1263.1
  Component Side w10: U401.61@1361,3909 1361,3834.96 1385.96,3810 1475,3810 1480,3805 1575,3805 1695,3925 1810,3925 1915,3820 1915,3375 1940,3350 1985.67,3350 U501.3@1988.07,3347.6
NetU401_64: U401.64 U502.3 | length 1119.5
  Component Side w10: U401.64@1302,3909 1301.5,3909.5 1301.5,3943.5 1285,3960 1250,3960 1225,3985 1225,3998.14 1238.86,4012 1277.03,4012 1285.03,4004 1777.11,4004 1808,3973.11 1808,3970.89 1947,3831.89 1947,3701.05 1952.86,3695.2 U502.3@1988.07,3695.2
RS422-Rx_N: D300.1 J1.11 R301.2 R302.2 | length 3000.7
  Component Side w15: J1.11@3330,300 3367.5,337.5 3367.5,407.86 3479.64,520 3820,520 4110,810 4110,2144.9 4042.4,2212.5 3992.39,2212.5 3983.6,2203.71 3983.6,2196.83 D300.1@3974.37,2187.6 3847.75,2187.6 3822.85,2212.5 3717.85,2212.5 3695.91,2190.55 R301.2@3690,2190.55 3684.09,2190.55 3662.15,2212.5 3617.88,2212.5 3615.38,2215 3594.41,2215 3568.27,2188.86 R302.2@3568.27,2180
RS422-Rx_P: D300.2 J1.9 R300.2 R301.1 | length 3042.1
  Component Side w15: J1.9@3430,300 3392.5,337.5 3392.5,397.5 3490,495 3830.36,495 4135,799.64 4135,2155.26 4052.76,2237.5 3992.39,2237.5 3983.6,2246.29 3983.6,2253.17 D300.2@3974.37,2262.4 3847.75,2262.4 3822.85,2237.5 3717.85,2237.5 3695.91,2259.45 R301.1@3690,2259.45 3684.09,2259.45 3662.15,2237.5 3628.24,2237.5 3625.74,2240 3594.41,2240 3568.27,2266.14 R300.2@3568.27,2275
RS422-Tx_N: D301.2 J1.13 R303.2 R305.2 | length 2937.7
  Component Side w15: J1.13@3230,300 3192.5,337.5 3192.5,437.5 3310,555 3820.36,555 4075,809.64 4075,1965.26 4017.76,2022.5 3992.39,2022.5 3983.6,2031.29 3983.6,2038.17 D301.2@3974.37,2047.4 3848.97,2047.4 3825.96,2024.39 3717.85,2024.39 3695.91,2046.34 R305.2@3690,2046.34 3684.09,2046.34 3662.15,2024.39 3627.82,2024.39 3627.03,2025.18 3594.23,2025.18 3568.27,2051.14 R303.2@3568.27,2060
RS422-Tx_P: D301.1 J1.15 R304.2 R305.1 | length 2897.2
  Component Side w15: J1.15@3130,300 3167.5,337.5 3167.5,447.86 3299.64,580 3810,580 4050,820 4050,1954.91 4007.41,1997.5 3992.39,1997.5 3983.6,1988.71 3983.6,1981.83 D301.1@3974.37,1972.6 3852.75,1972.6 3825.96,1999.39 3717.85,1999.39 3695.91,1977.44 R305.1@3690,1977.44 3684.09,1977.44 3662.15,1999.39 3617.46,1999.39 3616.67,2000.18 3595.45,2000.18 3569.13,1973.86 R304.2@3569.13,1965
TEENSY_USB_N: J401.2 R402.2 | length 829.2
  Component Side w15: J401.2@275,3625.87 275.37,3625.49 294.82,3625.49 294.88,3625.43 810.43,3625.43 950,3765 1025.47,3765 1039.29,3778.82 R402.2@1039.29,3780
TEENSY_USB_P: J401.3 R401.2 | length 829.2
  Component Side w15: J401.3@275,3600 275.37,3600.37 294.82,3600.37 294.88,3600.43 820.79,3600.43 960.36,3740 1025.47,3740 1039.29,3726.18 R401.2@1039.29,3725
TN_3V3: C401.1 C402.1 C403.1 C404.1 C405.1 D400.A L400.2 R1.2 R2.2 R3.2 R4.2 R5.1 R6.2 R7.2 R8.2 R9.2 U401.3 U401.7 U401.30 U401.48 VR400.1 | length 2299.1
  Component Side w10: C404.1@1110,3839.49 1157.49,3792 v1(1164.12,3792) U401.3@1225,3792 ; C405.1@1145.71,3669 1172.68,3669 1180,3676.32 1180,3707.64 1185.86,3713.5 1224.5,3713.5 U401.7@1225,3714 1225.5,3713.5 1261.5,3713.5 v1(1290,3685) ; R2.2@1365,4070 R2.2@1366.46,4071.46 ; C402.1@1534.29,3375 1535,3375.71 1535,3397.29 1545,3407.29 v1(1545,3410) 1545,3412.71 1557.5,3425.21 1557.5,3458.5 U401.30@1558,3459 ; U401.48@1675,3832 1675,3865 1684.09,3874.09 1707.09,3874.09 v1(1709,3876) 1760.56,3876 C403.1@1765,3871.56
  Component Side w20: v1(610,3885) v1(645,3885) v1(685,3885) 821.38,3885 846.26,3909.88 VR400.1@846.26,3950.24 846.26,4036.26 875,4065 C401.1@948.58,4065 ; D400.A@832.76,3800 835,3797.76 v1(835,3710) ; L400.2@965,3549.45 v1(965,3625) ; C404.1@1110,3839.49 C404.1@1110,3842.44 ; v1(1165,3850) v1(1165,3885) v1(1165,3918) 1165,4020 1215,4070 R1.2@1265,4070 R2.2@1365,4070 ; R2.2@1366.46,4071.46 R3.2@1465,4071.46 R4.2@1565,4071.46 R5.1@1665,4071.46 R6.2@1765,4071.46 R7.2@1865,4071.46 R8.2@1965,4071.46 R9.2@2065,4071.46
USB_0_N: J200.D- R202.1 U200.8 | length 3257.2
  Component Side w15: J200.D-@253.74,2708.43 253.74,2712.84 226.87,2739.71 226.87,2752.14 235.66,2760.93 275.49,2760.93 386.71,2649.7 430.06,2649.7 443.15,2636.61 U200.8@529.92,2636.61 531.28,2637.97 565.41,2637.97 577.14,2649.7 661.91,2649.7 1226.62,2085 1490,2085 1640,1935 2775,1935 2837.35,1872.65 2837.35,1699.86 2815.6,1678.11 R202.1@2809.7,1678.11
USB_0_P: J200.D+ R201.1 U200.6 | length 3338.7
  Component Side w15: J200.D+@175,2708.43 175,2712.84 201.87,2739.71 201.87,2762.49 225.3,2785.93 285.84,2785.93 397.06,2674.7 430.06,2674.7 443.15,2687.8 U200.6@529.92,2687.8 531.28,2686.44 565.41,2686.44 577.14,2674.7 672.27,2674.7 1236.97,2110 1500.36,2110 1650.36,1960 2785.36,1960 2807.68,1937.68 2862.35,1883.01 2862.35,1701.19 2884.09,1679.45 R201.1@2890,1679.45
USB_1_N: J203.D- R204.2 R214.1 U202.2 | length 2091.9
  Component Side w15: J203.D-@709.29,241.69 709.29,246.11 736.16,272.98 736.16,306.66 820,390.5 820,459.76 808.3,471.47 808.3,610.14 820,621.84 820,675.36 1116.96,972.31 1574.66,972.31 1674.12,1071.77 2021.3,1071.77 R214.1@2040,1090.47 ; R214.1@2040,1091.46 R214.1@2040,1090.47 ; R204.2@2220.55,1085 2220.55,1079.09 2198.12,1056.67 2135.82,1056.67 2120.72,1071.77 2058.7,1071.77 R214.1@2040,1090.47
USB_1_P: J203.D+ R203.1 R213.2 U202.4 | length 2051.5
  Component Side w15: J203.D+@788.03,241.69 788.03,246.11 761.16,272.98 761.16,296.31 845,380.15 845,459.76 857.3,472.06 857.3,610.14 845,622.44 845,665 1127.31,947.31 1585.01,947.31 1684.47,1046.77 2021.3,1046.77 R213.2@2040,1028.07 ; R213.2@2040,1027.09 R213.2@2040,1028.07 ; R203.1@2221.1,1003.33 2221.1,1009.24 2198.67,1031.67 2125.47,1031.67 2110.36,1046.77 2058.7,1046.77 R213.2@2040,1028.07
USB_2_N: J202.D- R206.1 R212.1 U202.8 | length 2461.9
  Component Side w15: J202.D-@256.69,664.37 261.11,664.37 287.98,637.5 676.77,637.5 794.7,755.43 794.7,767.86 782.97,779.59 782.97,813.72 U202.8@781.61,815.08 781.61,956.26 797.18,971.83 797.18,995.25 836.93,1035 1489.64,1035 1827.14,1372.5 2022.03,1372.5 R212.1@2040,1390.47 ; R212.1@2040,1391.46 R212.1@2040,1390.47 ; R206.1@2220.55,1404.57 2220.55,1398.66 2194.39,1372.5 2057.97,1372.5 R212.1@2040,1390.47
USB_2_P: J202.D+ R205.1 R211.2 U202.6 | length 2455.9
  Component Side w15: J202.D+@256.69,585.63 261.11,585.63 287.98,612.5 687.13,612.5 819.7,745.08 819.7,767.86 831.44,779.59 831.44,813.72 U202.6@832.8,815.08 832.8,898.08 834.5,899.78 834.5,960.15 822.18,972.47 822.18,984.89 847.29,1010 1500,1010 1837.5,1347.5 2022.03,1347.5 R211.2@2040,1329.53 ; R211.2@2040,1328.54 R211.2@2040,1329.53 ; R205.1@2220.55,1323.33 2220.55,1329.24 2204.79,1345 2055.47,1345 R211.2@2040,1329.53
pads on no net: J1.20 J200.Vcc J401.shield M500.D1 M500.G1 M500.S1 M501.D1 M501.G1 M501.S1 M502.D1 M502.G1 M502.S1 P8.3 P8.4 P8.5 P8.6 P8.7 P8.8 P8.9 P8.11 P8.13 P8.14 P8.15 P8.16 P8.17 P8.18 P8.19 P8.20 P8.21 P8.22 P8.23 P8.24 P8.25 P8.27 P8.28 P8.29 P8.30 P8.31 P8.32 P8.33 P8.34 P8.35 P8.36 P8.39 P8.40 P8.41 P8.42 P8.43 P8.44 P8.45 P8.46 P9.3 P9.4 P9.7 P9.8 P9.11 P9.13 P9.14 P9.15 P9.16 P9.17 P9.18 P9.23 P9.25 P9.27 P9.28 P9.29 P9.30 P9.31 P9.32 P9.33 P9.35 P9.36 P9.37 P9.38 P9.40 P9.41 P9.43 P9.44 U1.1 U2.2 U2.7 U2.9 U2.11 U2.13 U2.18 U201.5 U201.17 U201.21 U201.29 U201.32 U203.6 U203.7 U203.8 U203.9 U203.10 U203.11 U203.12 U300.1 U300.8 U401.1 U401.8 U401.9 U401.10 U401.11 U401.12 U401.18 U401.19 U401.20 U401.26 U401.27 U401.28 U401.29 U401.41 U401.42 U401.45 U401.49 U401.51 U401.52 U401.53 U401.54 U401.55 U401.56 U401.57 U402.1 U402.2 U402.4 U402.5 U402.7 U402.9 U402.11 U402.12 U402.13 U402.14 U402.19 U402.20 U402.21 U402.22 U402.23 U402.24 U402.26 U402.27 U402.28 U402.29 U402.30 U402.31 U402.32 U500.1 U501.1 U502.1 VR101.3 VR101.6
copper on no net: | length 111
  Component Side w10: 2250.98,3136.69 2257.68,3136.69 ; v2@2257.68,3947.68 v2(2260,3950)
  Component Side w20: 2257.68,3846.69 v2@2257.68,3947.68

## Polygon pours and split planes (outlines as drawn)
no net on Board (solid): 3155,940
GND on Ground Plane (split plane): 3809.9,4335 3810.29,4331.08 3811.43,4327.31 3813.29,4323.83 3815.79,4320.79 3818.84,4318.29 3822.31,4316.43 3826.08,4315.29 3830,4314.9 4689.9,4314.9 4689.9,20.1 20.1,20.1 20.1,1234.9 1440,1234.9 1443.92,1235.29 1447.69,1236.43 1451.17,1238.29 1454.21,1240.79 1456.71,1243.84 1458.57,1247.31 1459.71,1251.08 1460.1,1255 1460.1,1955 1459.71,1958.92 1458.57,1962.69 1456.71,1966.17 1454.21,1969.21 1451.17,1971.71 1447.69,1973.57 1443.92,1974.71 1440,1975.1 20.1,1975.1 20.1,4314.9 1000,4314.9 1003.92,4315.29 1007.69,4316.43 1011.17,4318.29 1014.21,4320.79 1016.71,4323.84 1018.57,4327.31 1019.71,4331.08 1020.1,4335 1020.1,6344.9 3809.9,6344.9
NetC407_2 on Ground Plane (split plane): 2119.9,4497.89 2119.9,4307.11 2092.89,4280.1 1465,4280.1 1463.05,4279.71 1461.4,4278.61 1426.4,4243.61 1425.29,4241.95 1424.9,4240 1424.9,3542.11 1222.89,3340.1 1180,3340.1 1178.05,3339.71 1176.4,3338.61 1156.4,3318.61 1155.29,3316.95 1154.9,3315 1154.9,3262.11 1122.89,3230.1 1067.11,3230.1 990.1,3307.11 990.1,3320 989.71,3321.95 988.6,3323.61 963.6,3348.61 961.95,3349.71 960,3350.1 927.11,3350.1 905.1,3372.11 905.1,3487.89 922.11,3504.9 1195,3504.9 1196.95,3505.29 1198.6,3506.4 1248.6,3556.4 1249.71,3558.05 1250.1,3560 1250.1,4210 1249.71,4211.95 1248.6,4213.61 1195.1,4267.11 1195.1,4502.89 1217.11,4524.9 2092.89,4524.9
TN_3V3 on Power Plane (split plane): 3809.9,4335 3810.29,4331.08 3811.43,4327.31 3813.29,4323.83 3815.79,4320.79 3818.84,4318.29 3822.31,4316.43 3826.08,4315.29 3830,4314.9 4689.9,4314.9 4689.9,20.1 20.1,20.1 20.1,1234.9 1440,1234.9 1443.92,1235.29 1447.69,1236.43 1451.17,1238.29 1454.21,1240.79 1456.71,1243.84 1458.57,1247.31 1459.71,1251.08 1460.1,1255 1460.1,1955 1459.71,1958.92 1458.57,1962.69 1456.71,1966.17 1454.21,1969.21 1451.17,1971.71 1447.69,1973.57 1443.92,1974.71 1440,1975.1 20.1,1975.1 20.1,4314.9 1000,4314.9 1003.92,4315.29 1007.69,4316.43 1011.17,4318.29 1014.21,4320.79 1016.71,4323.84 1018.57,4327.31 1019.71,4331.08 1020.1,4335 1020.1,6344.9 3809.9,6344.9

## Keep-outs
Keep-Out Layer:
  lines w10: 278.07,147.95 ccw(c160,145) 278.08,147.68 ; 278.07,1097.95 ccw(c160,1095) 278.08,1097.68 ; 278.07,2107.95 ccw(c160,2105) 278.08,2107.68 ; 278.07,4180.95 ccw(c160,4178) 278.08,4180.68 ; 1258.07,6215.95 ccw(c1140,6213) 1258.08,6215.68 ; 1333.07,757.95 ccw(c1215,755) 1333.08,757.68 ; 1333.07,2657.95 ccw(c1215,2655) 1333.08,2657.68 ; 2073.07,147.95 ccw(c1955,145) 2073.08,147.68 ; 2503.07,1772.95 ccw(c2385,1770) 2503.08,1772.68 ; 2503.07,4180.95 ccw(c2385,4178) 2503.08,4180.68 ; 3795.07,6215.95 ccw(c3677,6213) 3795.08,6215.68 ; 3933.07,882.95 ccw(c3815,880) 3933.08,882.68 ; 3933.07,2532.95 ccw(c3815,2530) 3933.08,2532.68 ; 4680.07,147.95 ccw(c4562,145) 4680.08,147.68 ; 4680.07,2164.45 ccw(c4562,2161.5) 4680.08,2164.18 ; 4680.07,4180.95 ccw(c4562,4178) 4680.08,4180.68

## Other copper
Component Side:
  region: 85,3220
Ground Plane (plane layer: these items are gaps in the copper):
  lines w10: 900,3370 925,3345 960,3345 985,3320 985,3305 1065,3225 1125,3225 1160,3260 1160,3315 1180,3335 1225,3335 1430,3540 1430,4240 1465,4275 2095,4275 2125,4305 2125,4500 2095,4530 1215,4530 1190,4505 1190,4265 1245,4210 1245,3560 1195,3510 920,3510 900,3490 900,3370

## Silkscreen, mask and mechanical layers (free items; w line width, h text height)
Top Overlay:
  lines w5: 915,3440 1005,3440 ; 985,3660 1055,3660
  lines w5.98: 2670,1525 2685,1525 2700,1510 ; 2705,880 2725,880 2740,895 ; 2805,895 2820,880
  lines w10: 415,2330 415,2245 400,2230 ; 600,2335 600,2250 585,2235 ; 780,2327.5 780,2357.5 ; 825,2357.5 780,2357.5 ; 1025,2155 1035,2165 1035,2210 ; 400,2230 400,2320 410,2330 485,2330 ; 400,2230 335,2230 335,2380 360,2405 485,2405 ; 455,2150 475,2150 500,2175 500,2300 485,2315 ; 455,2150 335,2150 335,2215 410,2215 425,2230 425,2315 485,2315 ; 455,2150 485,2180 485,2315 ; 485,2330 500,2315 500,2390 485,2405 ; 485,2330 485,2405 ; 585,2235 520,2235 520,2385 545,2410 670,2410 ; 585,2235 585,2325 595,2335 670,2335 ; 640,2155 670,2185 670,2320 ; 640,2155 520,2155 520,2220 595,2220 610,2235 610,2320 670,2320 ; 640,2155 660,2155 685,2180 685,2305 670,2320 ; 670,2335 670,2410 ; 670,2335 685,2320 685,2395 670,2410 ; 765,2155 715,2155 715,2395 730,2410 860,2410 ; 765,2155 780,2170 780,2265 ; 765,2155 765,2280 ; 765,2280 780,2265 ; 765,2280 860,2280 ; 765,2372.5 815,2372.5 825,2362.5 825,2327.5 765,2327.5 765,2372.5 ; 765,2372.5 780,2357.5 ; 780,2265 870,2265 ; 860,2280 870,2270 870,2265 ; 860,2280 860,2410 ; 860,2410 875,2395 875,2270 870,2265 ; 940,2195 955,2210 ; 940,2195 940,2410 ; 940,2195 1020,2195 ; 940,2410 955,2395 955,2210 ; 940,2410 895,2410 895,2155 940,2155 1020,2155 1020,2195 ; 955,2210 1035,2210 ; 1020,2195 1035,2210
  text "CHONK" at 2540,4340 h60 r270
  text "Remove when / programming" at 410,3860 h30 r90
  text "Ext. Trig" at 61.67,3150 h25 r90
  text "Oasis Rev. 2" at 330,2035 h60
Board:
  circle w10: c4562,145 r62.5
  circle w10: c160,1095 r62.5
  circle w10: c3370,4464 r59.51
  circle w10: c2980,4318 r60.9
  circle w10: c160,2105 r62.5
  circle w10: c3677,6213 r62.5
  circle w10: c1140,6213 r62.5
  circle w10: c1215,755 r62.5
  circle w10: c160,4178 r62.5
  circle w10: c4562,2161.5 r62.5
  circle w10: c4562,4178 r62.5
  circle w10: c2385,4178 r62.5
  circle w10: c160,145 r62.5
  circle w10: c2385,1770 r62.5
  circle w10: c1955,145 r62.5
  circle w10: c1215,2655 r62.5
  circle w10: c3815,2530 r62.5
  circle w10: c3815,880 r62.5
  lines w10: 0,0 4710,0 4710,4335 3830,4335 3830,6365 1000,6365 1000,4335 0,4335 0,1955 1440,1955 1440,1255 0,1255 0,0
Dimensions:
  lines w10: 160,1095 160,145 1955,145 4562,145 4562,2161.5 4562,4178 160,4178 160,2105 ; 1140,6213 3677,6213 ; 1215,755 1215,2655 ; 2386,1769 2386,4177 ; 3815,880 3815,2530 ; 8325,4210 8335,4210

## Dimensions
4562,145 to 4562,2161.5 on Dimensions
0,0 to 4710,0 on Dimensions
0,0 to 1215,755 on Dimensions
3677,6213 to 3830,6365 on Dimensions
1140,6213 to 1000,6365 on Dimensions
0,0 to 160,145 on Dimensions
0,0 to 160,145 on Dimensions
1000,6365 to 3830,6365 on Dimensions
0,4335 to 1000,4335 on Dimensions
0,1955 to 1440,1955 on Dimensions

## Text inside footprints (layer, text, board x,y; h text height)
J100: Top Overlay "1" at 3215,4085 h60 r90; Top Overlay "2" at 3215,4565 h60 r90